# Allegro board arena_12-12_v5.brd (continued)
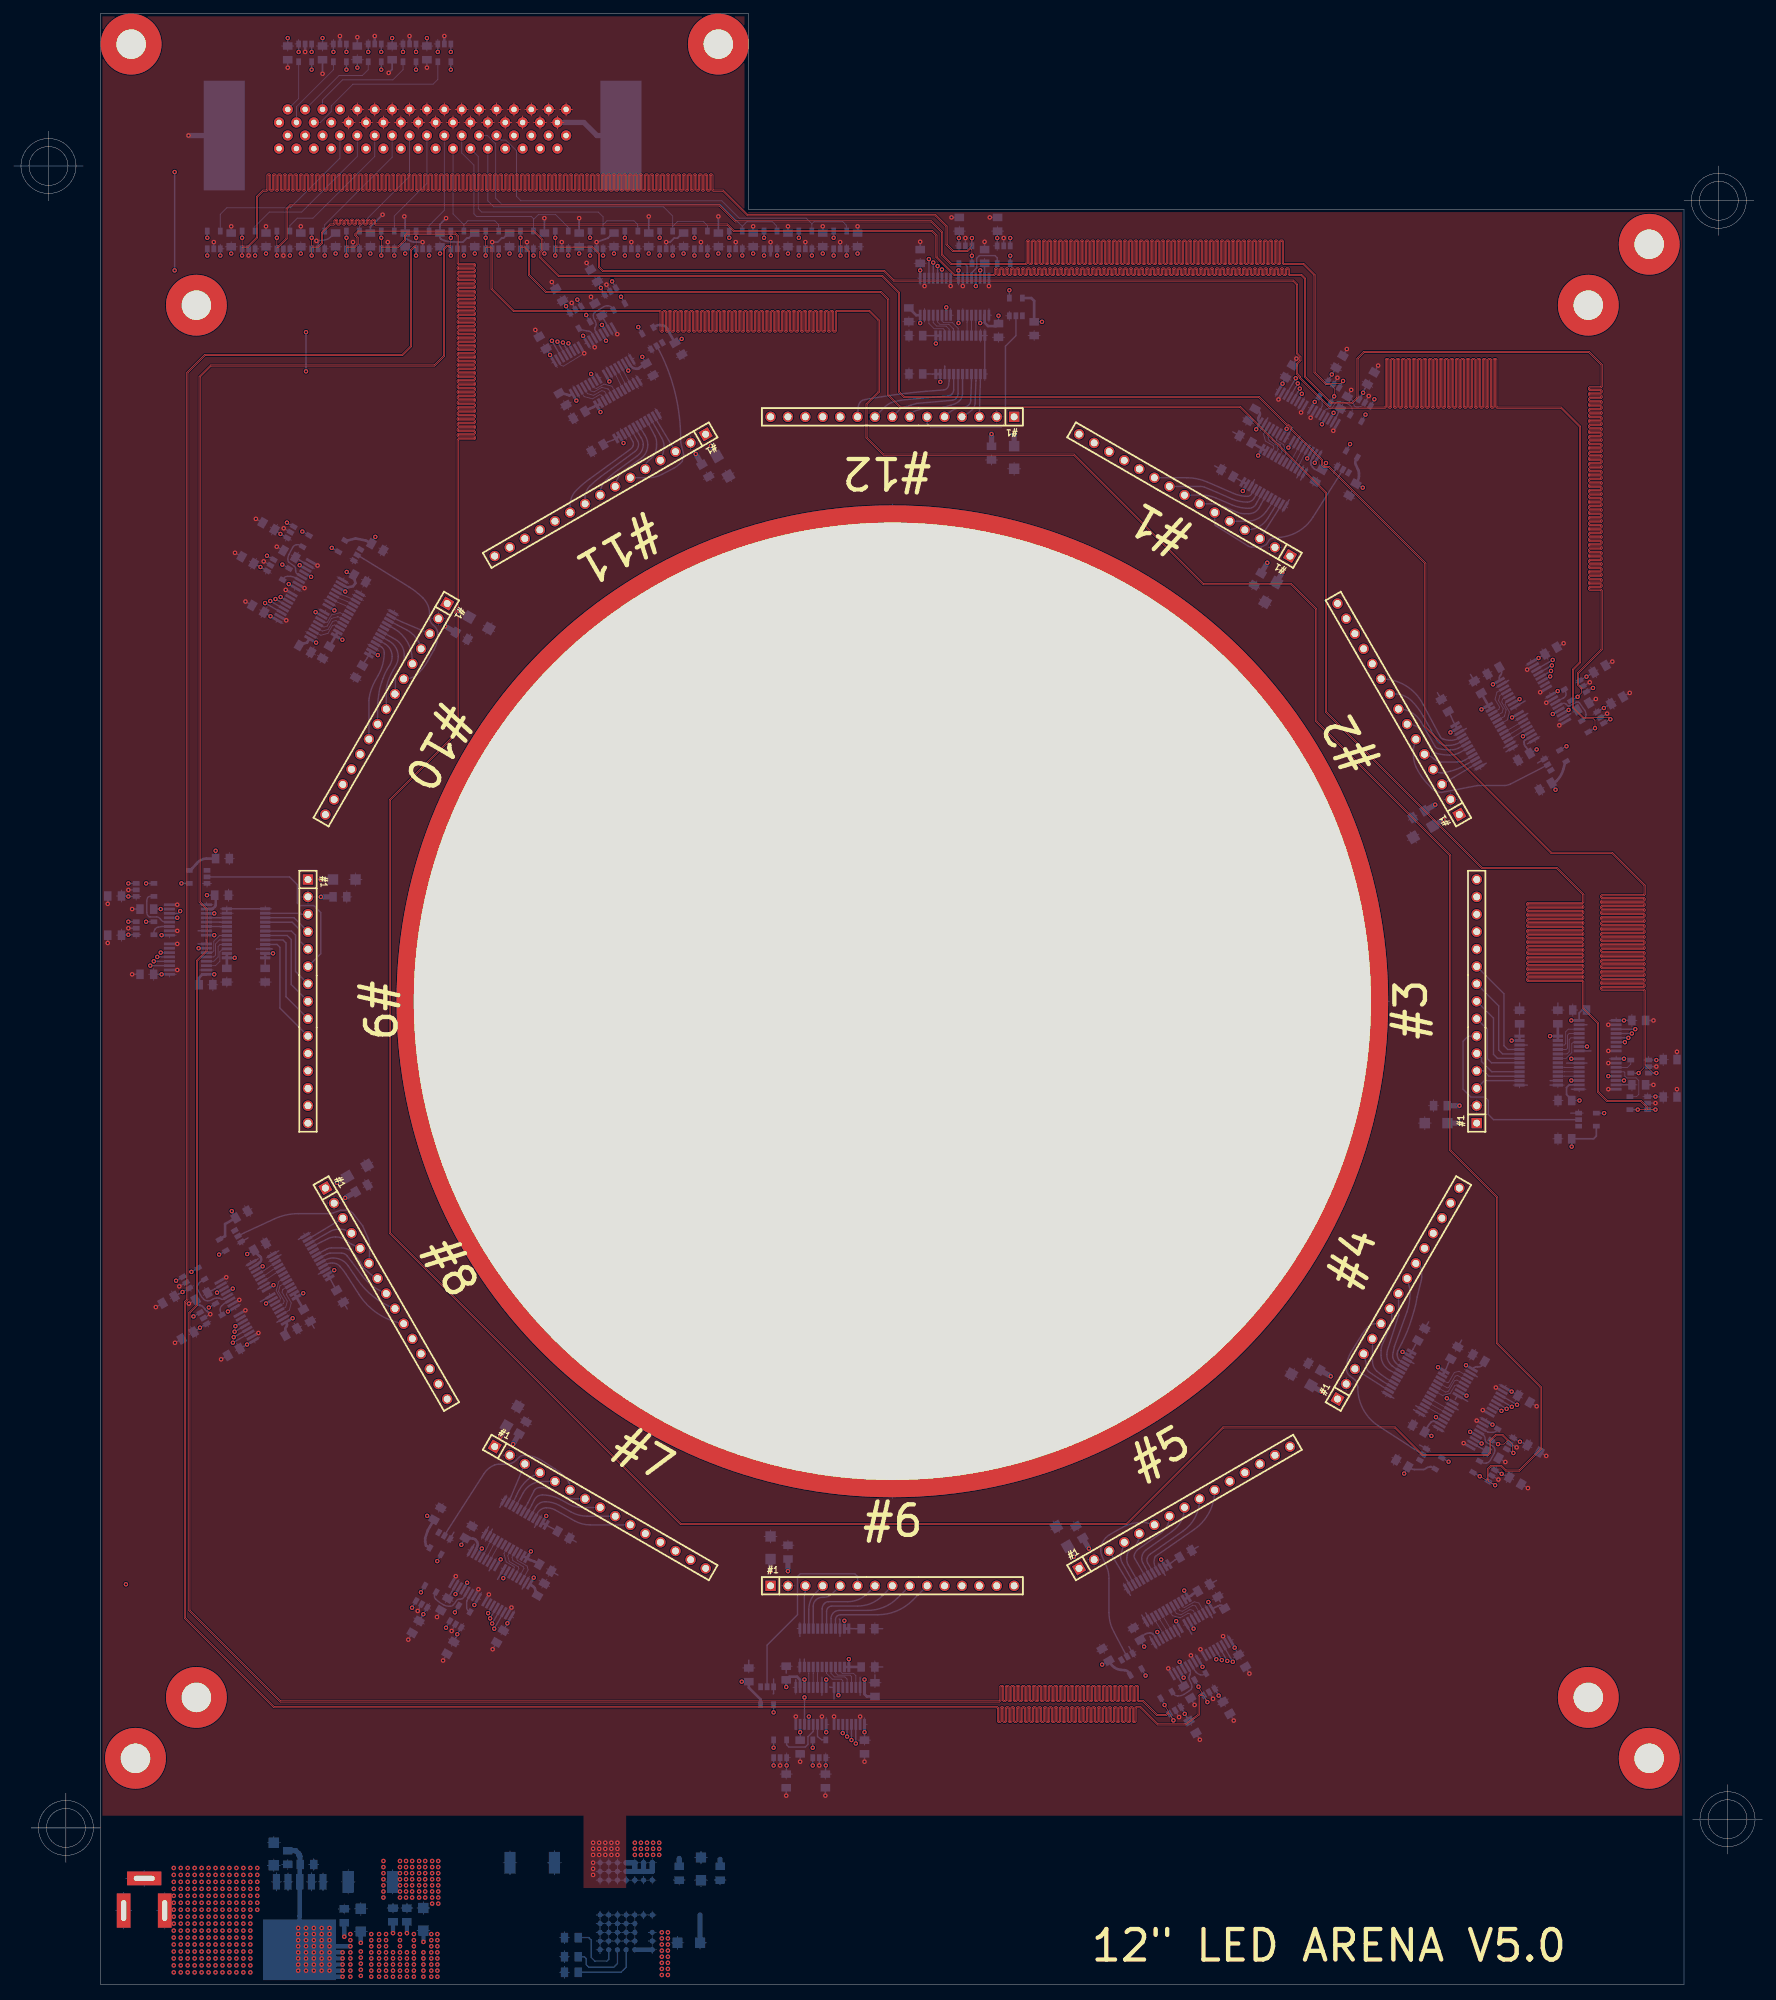
[diagram p0: board, top side]
## Routing (per net, layer and track width the routed paths; a pad name or vN(x,y) marks a point on that pad's centre or on a via; arc(x,y) is an arc through that point) (continued)
  BOTTOM w0.203: U63.3 v1(89.22,252.36) ; 196.77,228.15 v1(197.34,229.14)
S7_P: length 482.8
  PWR w0.089: v1(89.22,254.95) 89.22,254.19 89.66,253.74 91.18,253.74 91.95,254.51 91.95,255.52 92.33,255.9 96.65,255.9 97.66,254.89 97.66,253.75 97.03,253.11 97.03,250.44 97.41,250.06 100.33,250.06 100.6,250.33 100.6,250.97 101.78,252.15 101.78,253.5 104.25,255.97 110.18,255.97 110.92,255.22 110.92,254.85 111.17,254.6 111.17,254.04 110.92,253.79 110.92,251.65 110.75,251.48 107.68,251.48 107.62,251.41 107.62,251.33 107.68,251.26 110.77,251.26 110.94,251.09 110.94,250.86 110.77,250.69 107.68,250.69 107.62,250.63 107.62,250.54 107.68,250.47 110.77,250.47 110.94,250.31 110.94,250.07 110.77,249.9 107.68,249.9 107.62,249.84 107.62,249.75 107.68,249.69 110.77,249.69 110.94,249.52 110.94,249.28 110.77,249.12 107.68,249.12 107.62,249.05 107.62,248.96 107.68,248.9 110.77,248.9 110.94,248.73 110.94,248.5 110.77,248.33 107.68,248.33 107.62,248.26 107.62,248.18 107.68,248.11 110.77,248.11 110.94,247.94 110.94,247.71 110.77,247.54 107.68,247.54 107.62,247.48 107.62,247.39 107.68,247.32 110.77,247.32 110.94,247.16 110.94,246.92 110.77,246.75 107.68,246.75 107.62,246.69 107.62,246.6 107.68,246.54 110.77,246.54 110.94,246.37 110.94,246.13 110.77,245.97 107.68,245.97 107.62,245.9 107.62,245.81 107.68,245.75 110.77,245.75 110.94,245.58 110.94,245.35 110.77,245.18 107.68,245.18 107.62,245.12 107.62,245.03 107.68,244.96 110.77,244.96 110.94,244.8 110.94,244.56 110.77,244.39 107.68,244.39 107.62,244.33 107.62,244.24 107.68,244.18 110.77,244.18 110.94,244.01 110.94,243.77 110.77,243.6 107.68,243.6 107.62,243.54 107.62,243.45 107.68,243.39 110.77,243.39 110.94,243.22 110.94,242.98 110.77,242.82 107.68,242.82 107.62,242.75 107.62,242.66 107.68,242.6 110.77,242.6 110.94,242.43 110.94,242.2 110.77,242.03 107.68,242.03 107.62,241.97 107.62,241.88 107.68,241.81 110.77,241.81 110.94,241.65 110.94,241.36 112.1,240.2 112.8,240.2 112.97,240.04 112.97,239.13 113.03,239.06 113.12,239.06 113.18,239.13 113.18,240.04 113.35,240.2 113.59,240.2 113.75,240.04 113.75,239.13 113.82,239.06 113.91,239.06 113.97,239.13 113.97,240.04 114.14,240.2 114.37,240.2 114.54,240.04 114.54,239.13 114.6,239.06 114.69,239.06 114.76,239.13 114.76,240.04 114.92,240.2 115.16,240.2 115.33,240.04 115.33,239.13 115.39,239.06 115.48,239.06 115.54,239.13 115.54,240.04 115.71,240.2 115.95,240.2 116.12,240.04 116.12,239.13 116.18,239.06 116.27,239.06 116.33,239.13 116.33,240.04 116.5,240.2 116.74,240.2 116.9,240.04 116.9,239.13 116.97,239.06 117.06,239.06 117.12,239.13 117.12,240.04 117.29,240.2 117.52,240.2 117.69,240.04 117.69,239.13 117.75,239.06 117.84,239.06 117.91,239.13 117.91,240.04 118.07,240.2 118.31,240.2 118.48,240.04 118.48,239.13 118.54,239.06 118.63,239.06 118.69,239.13 118.69,240.04 118.86,240.2 119.1,240.2 119.27,240.04 119.27,239.13 119.33,239.06 119.42,239.06 119.48,239.13 119.48,240.04 119.65,240.2 119.89,240.2 120.05,240.04 120.05,239.13 120.12,239.06 120.21,239.06 120.27,239.13 120.27,240.04 120.44,240.2 120.67,240.2 120.84,240.04 120.84,239.13 120.9,239.06 120.99,239.06 121.06,239.13 121.06,240.04 121.22,240.2 121.46,240.2 121.63,240.04 121.63,239.13 121.69,239.06 121.78,239.06 121.84,239.13 121.84,240.04 122.01,240.2 122.25,240.2 122.42,240.04 122.42,239.13 122.48,239.06 122.57,239.06 122.63,239.13 122.63,240.04 122.8,240.2 123.04,240.2 123.2,240.04 123.2,239.13 123.27,239.06 123.36,239.06 123.42,239.13 123.42,240.04 123.59,240.2 123.82,240.2 123.99,240.04 123.99,239.13 124.05,239.06 124.14,239.06 124.21,239.13 124.21,240.04 124.37,240.2 124.61,240.2 124.78,240.04 124.78,239.13 124.84,239.06 124.93,239.06 124.99,239.13 124.99,240.04 125.16,240.2 125.4,240.2 125.56,240.04 125.56,239.13 125.63,239.06 125.72,239.06 125.78,239.13 125.78,240.04 125.95,240.2 126.18,240.2 126.35,240.04 126.35,239.13 126.42,239.06 126.5,239.06 126.57,239.13 126.57,240.04 126.74,240.2 126.97,240.2 127.14,240.04 127.14,239.13 127.2,239.06 127.29,239.06 127.36,239.13 127.36,240.04 127.52,240.2 127.76,240.2 127.93,240.04 127.93,239.13 127.99,239.06 128.08,239.06 128.14,239.13 128.14,240.04 128.31,240.2 128.55,240.2 128.71,240.04 128.71,239.13 128.78,239.06 128.87,239.06 128.93,239.13 128.93,240.04 129.1,240.2 129.33,240.2 129.5,240.04 129.5,239.13 129.57,239.06 129.65,239.06 129.72,239.13 129.72,240.04 129.89,240.2 130.12,240.2 130.29,240.04 130.29,239.13 130.35,239.06 130.44,239.06 130.51,239.13 130.51,240.04 130.67,240.2 130.91,240.2 131.08,240.04 131.08,239.13 131.14,239.06 131.23,239.06 131.29,239.13 131.29,240.04 131.46,240.2 131.7,240.2 131.86,240.04 131.86,239.13 131.93,239.06 132.02,239.06 132.08,239.13 132.08,240.04 132.25,240.2 132.48,240.2 132.65,240.04 132.65,239.13 132.72,239.06 132.8,239.06 132.87,239.13 132.87,240.04 133.04,240.2 133.27,240.2 133.44,240.04 133.44,239.13 133.5,239.06 133.59,239.06 133.65,239.13 133.65,240.04 133.82,240.2 134.9,240.2 134.95,240.16 135.79,240.16 135.96,239.99 135.96,238.75 136.02,238.68 136.11,238.68 136.17,238.75 136.17,239.99 136.34,240.16 136.58,240.16 136.75,239.99 136.75,238.75 136.81,238.68 136.9,238.68 136.96,238.75 136.96,239.99 137.13,240.16 137.37,240.16 137.53,239.99 137.53,238.75 137.6,238.68 137.69,238.68 137.75,238.75 137.75,239.99 137.92,240.16 138.15,240.16 138.32,239.99 138.32,238.75 138.38,238.68 138.47,238.68 138.54,238.75 138.54,239.99 138.7,240.16 138.94,240.16 139.11,239.99 139.11,238.75 139.17,238.68 139.26,238.68 139.32,238.75 139.32,239.99 139.49,240.16 139.73,240.16 139.9,239.99 139.9,238.75 139.96,238.68 140.05,238.68 140.11,238.75 140.11,239.99 140.28,240.16 140.52,240.16 140.68,239.99 140.68,238.75 140.75,238.68 140.84,238.68 140.9,238.75 140.9,239.99 141.07,240.16 141.3,240.16 141.47,239.99 141.47,238.75 141.53,238.68 141.62,238.68 141.69,238.75 141.69,239.99 141.85,240.16 142.09,240.16 142.26,239.99 142.26,238.75 142.32,238.68 142.41,238.68 142.47,238.75 142.47,239.99 142.64,240.16 142.88,240.16 143.05,239.99 143.05,238.75 143.11,238.68 143.2,238.68 143.26,238.75 143.26,239.99 143.43,240.16 143.66,240.16 143.83,239.99 143.83,238.75 143.9,238.68 143.98,238.68 144.05,238.75 144.05,239.99 144.22,240.16 144.45,240.16 144.62,239.99 144.62,238.75 144.68,238.68 144.77,238.68 144.84,238.75 144.84,239.99 145,240.16 145.24,240.16 145.41,239.99 145.41,238.75 145.47,238.68 145.56,238.68 145.62,238.75 145.62,239.99 145.79,240.16 146.03,240.16 146.19,239.99 146.19,238.75 146.26,238.68 146.35,238.68 146.41,238.75 146.41,239.99 146.58,240.16 146.81,240.16 146.98,239.99 146.98,238.75 147.05,238.68 147.13,238.68 147.2,238.75 147.2,239.99 147.37,240.16 147.6,240.16 147.77,239.99 147.77,238.75 147.83,238.68 147.92,238.68 147.99,238.75 147.99,239.99 148.15,240.16 148.39,240.16 148.56,239.99 148.56,238.75 148.62,238.68 148.71,238.68 148.77,238.75 148.77,239.99 148.94,240.16 149.18,240.16 149.34,239.99 149.34,238.75 149.41,238.68 149.5,238.68 149.56,238.75 149.56,239.99 149.73,240.16 149.96,240.16 150.13,239.99 150.13,238.75 150.2,238.68 150.28,238.68 150.35,238.75 150.35,239.99 150.52,240.16 150.75,240.16 150.92,239.99 150.92,238.75 150.98,238.68 151.07,238.68 151.14,238.75 151.14,239.99 151.3,240.16 151.54,240.16 151.71,239.99 151.71,238.75 151.77,238.68 151.86,238.68 151.92,238.75 151.92,239.99 152.09,240.16 152.33,240.16 152.49,239.99 152.49,238.75 152.56,238.68 152.65,238.68 152.71,238.75 152.71,239.99 152.88,240.16 153.11,240.16 153.28,239.99 153.28,238.75 153.34,238.68 153.43,238.68 153.5,238.75 153.5,239.99 153.66,240.16 153.9,240.16 154.07,239.99 154.07,238.75 154.13,238.68 154.22,238.68 154.28,238.75 154.28,239.99 154.45,240.16 154.69,240.16 154.86,239.99 154.86,238.75 154.92,238.68 155.01,238.68 155.07,238.75 155.07,239.99 155.24,240.16 155.48,240.16 155.64,239.99 155.64,238.75 155.71,238.68 155.8,238.68 155.86,238.75 155.86,239.99 156.03,240.16 156.26,240.16 156.43,239.99 156.43,238.75 156.49,238.68 156.58,238.68 156.65,238.75 156.65,239.99 156.81,240.16 157.05,240.16 157.22,239.99 157.22,238.75 157.28,238.68 157.37,238.68 157.43,238.75 157.43,239.99 157.6,240.16 157.84,240.16 158.01,239.99 158.01,238.75 158.07,238.68 158.16,238.68 158.22,238.75 158.22,239.99 158.39,240.16 158.63,240.16 158.79,239.99 158.79,238.75 158.86,238.68 158.95,238.68 159.01,238.75 159.01,239.99 159.18,240.16 159.41,240.16 159.58,239.99 159.58,238.75 159.64,238.68 159.73,238.68 159.8,238.75 159.8,239.99 159.96,240.16 160.2,240.16 160.37,239.99 160.37,238.75 160.43,238.68 160.52,238.68 160.58,238.75 160.58,239.99 160.75,240.16 160.99,240.16 161.16,239.99 161.16,238.75 161.22,238.68 161.31,238.68 161.37,238.75 161.37,239.99 161.54,240.16 161.78,240.16 161.94,239.99 161.94,238.75 162.01,238.68 162.1,238.68 162.16,238.75 162.16,239.99 162.33,240.16 162.56,240.16 162.73,239.99 162.73,238.75 162.79,238.68 162.88,238.68 162.95,238.75 162.95,239.99 163.11,240.16 163.35,240.16 163.52,239.99 163.52,238.75 163.58,238.68 163.67,238.68 163.73,238.75 163.73,239.99 163.9,240.16 164.14,240.16 164.3,239.99 164.3,238.75 164.37,238.68 164.46,238.68 164.52,238.75 164.52,239.99 164.69,240.16 164.92,240.16 165.09,239.99 165.09,238.75 165.16,238.68 165.24,238.68 165.31,238.75 165.31,239.99 165.48,240.16 165.71,240.16 165.88,239.99 165.88,238.75 165.94,238.68 166.03,238.68 166.1,238.75 166.1,239.99 166.26,240.16 166.5,240.16 166.67,239.99 166.67,238.75 166.73,238.68 166.82,238.68 166.88,238.75 166.88,239.99 167.05,240.16 167.29,240.16 167.45,239.99 167.45,238.75 167.52,238.68 167.61,238.68 167.67,238.75 167.67,239.99 167.84,240.16 168.07,240.16 168.24,239.99 168.24,238.75 168.31,238.68 168.39,238.68 168.46,238.75 168.46,239.99 168.63,240.16 168.86,240.16 169.03,239.99 169.03,238.75 169.09,238.68 169.18,238.68 169.25,238.75 169.25,239.99 169.41,240.16 169.65,240.16 169.82,239.99 169.82,238.75 169.88,238.68 169.97,238.68 170.03,238.75 170.03,239.99 170.2,240.16 170.44,240.16 170.6,239.99 170.6,238.75 170.67,238.68 170.76,238.68 170.82,238.75 170.82,239.99 170.99,240.16 171.22,240.16 171.39,239.99 171.39,238.75 171.46,238.68 171.54,238.68 171.61,238.75 171.61,239.99 171.78,240.16 172.01,240.16 172.18,239.99 172.18,238.75 172.24,238.68 172.33,238.68 172.39,238.75 172.39,239.99 172.56,240.16 172.8,240.16 172.97,239.99 172.97,238.75 173.03,238.68 173.12,238.68 173.18,238.75 173.18,239.99 173.35,240.16 173.59,240.16 173.75,239.99 173.75,238.75 173.82,238.68 173.91,238.68 173.97,238.75 173.97,239.99 174.14,240.16 174.37,240.16 174.54,239.99 174.54,238.75 174.6,238.68 174.69,238.68 174.76,238.75 174.76,239.99 174.92,240.16 175.16,240.16 175.33,239.99 175.33,238.75 175.39,238.68 175.48,238.68 175.54,238.75 175.54,239.99 175.71,240.16 175.95,240.16 176.12,239.99 176.12,238.75 176.18,238.68 176.27,238.68 176.33,238.75 176.33,239.99 176.5,240.16 176.74,240.16 176.9,239.99 176.9,238.75 176.97,238.68 177.06,238.68 177.12,238.75 177.12,239.99 177.29,240.16 177.52,240.16 177.69,239.99 177.69,238.75 177.75,238.68 177.84,238.68 177.91,238.75 177.91,239.99 178.07,240.16 178.31,240.16 178.48,239.99 178.48,238.75 178.54,238.68 178.63,238.68 178.69,238.75 178.69,239.99 178.86,240.16 179.1,240.16 179.27,239.99 179.27,238.75 179.33,238.68 179.42,238.68 179.48,238.75 179.48,239.99 179.65,240.16 179.89,240.16 180.05,239.99 180.05,238.75 180.12,238.68 180.21,238.68 180.27,238.75 180.27,239.99 180.44,240.16 180.67,240.16 180.84,239.99 180.84,238.75 180.9,238.68 180.99,238.68 181.06,238.75 181.06,239.99 181.22,240.16 181.46,240.16 181.63,239.99 181.63,238.75 181.69,238.68 181.78,238.68 181.84,238.75 181.84,239.99 182.01,240.16 182.25,240.16 182.42,239.99 182.42,238.75 182.48,238.68 182.57,238.68 182.63,238.75 182.63,239.99 182.8,240.16 183.03,240.16 183.2,239.99 183.2,238.75 183.27,238.68 183.35,238.68 183.42,238.75 183.42,239.99 183.59,240.16 183.82,240.16 183.99,239.99 183.99,238.75 184.05,238.68 184.14,238.68 184.21,238.75 184.21,239.99 184.37,240.16 184.61,240.16 184.78,239.99 184.78,238.75 184.84,238.68 184.93,238.68 184.99,238.75 184.99,239.99 185.16,240.16 185.4,240.16 185.56,239.99 185.56,238.75 185.63,238.68 185.72,238.68 185.78,238.75 185.78,239.99 185.95,240.16 186.18,240.16 186.35,239.99 186.35,238.75 186.42,238.68 186.5,238.68 186.57,238.75 186.57,239.99 186.74,240.16 186.97,240.16 187.14,239.99 187.14,238.75 187.2,238.68 187.29,238.68 187.36,238.75 187.36,239.99 187.52,240.16 187.76,240.16 187.93,239.99 187.93,238.75 187.99,238.68 188.08,238.68 188.14,238.75 188.14,239.99 188.31,240.16 188.55,240.16 188.71,239.99 188.71,238.75 188.78,238.68 188.87,238.68 188.93,238.75 188.93,239.99 189.1,240.16 189.33,240.16 189.5,239.99 189.5,238.75 189.57,238.68 189.65,238.68 189.72,238.75 189.72,239.99 189.89,240.16 190.12,240.16 190.29,239.99 190.29,238.75 190.35,238.68 190.44,238.68 190.51,238.75 190.51,239.99 190.67,240.16 190.91,240.16 191.08,239.99 191.08,238.75 191.14,238.68 191.23,238.68 191.29,238.75 191.29,239.99 191.46,240.16 191.7,240.16 191.86,239.99 191.86,238.75 191.93,238.68 192.02,238.68 192.08,238.75 192.08,239.99 192.25,240.16 192.48,240.16 192.65,239.99 192.65,238.75 192.71,238.68 192.8,238.68 192.87,238.75 192.87,239.99 193.03,240.16 195.45,240.16 196.47,239.14 196.47,234.95 194.11,232.59 194.11,231.34 194.56,230.89 197.4,230.89 197.65,230.64 197.92,230.64 198.26,230.73 v1(198.64,231.38)
  BOTTOM w0.203: U64.3 v1(198.64,231.38) ; U63.4 v1(89.22,254.95)
S8_N: length 512.6
  TOP w0.089: v1(230.85,183.38) 230.85,184.52 230.63,184.73 229.16,184.73 227.53,186.36 227.53,191.97 228.55,192.99 228.55,227.38 225.86,230.07 216.52,230.07 216.35,230.24 216.35,237.12 216.29,237.19 216.2,237.19 216.14,237.12 216.14,230.24 215.97,230.07 215.73,230.07 215.57,230.24 215.57,237.12 215.5,237.19 215.41,237.19 215.35,237.12 215.35,230.24 215.18,230.07 214.95,230.07 214.78,230.24 214.78,237.12 214.72,237.19 214.63,237.19 214.56,237.12 214.56,230.24 214.4,230.07 214.16,230.07 213.99,230.24 213.99,237.12 213.93,237.19 213.84,237.19 213.78,237.12 213.78,230.24 213.61,230.07 213.37,230.07 213.21,230.24 213.21,237.12 213.14,237.19 213.05,237.19 212.99,237.12 212.99,230.24 212.82,230.07 212.59,230.07 212.42,230.24 212.42,237.12 212.35,237.19 212.27,237.19 212.2,237.12 212.2,230.24 212.03,230.07 211.8,230.07 211.63,230.24 211.63,237.12 211.57,237.19 211.48,237.19 211.41,237.12 211.41,230.24 211.25,230.07 211.01,230.07 210.84,230.24 210.84,237.12 210.78,237.19 210.69,237.19 210.63,237.12 210.63,230.24 210.46,230.07 210.22,230.07 210.06,230.24 210.06,237.12 209.99,237.19 209.9,237.19 209.84,237.12 209.84,230.24 209.67,230.07 209.44,230.07 209.27,230.24 209.27,237.12 209.2,237.19 209.12,237.19 209.05,237.12 209.05,230.24 208.88,230.07 208.65,230.07 208.48,230.24 208.48,237.12 208.42,237.19 208.33,237.19 208.26,237.12 208.26,230.24 208.1,230.07 207.86,230.07 207.69,230.24 207.69,237.12 207.63,237.19 207.54,237.19 207.48,237.12 207.48,230.24 207.31,230.07 207.07,230.07 206.91,230.24 206.91,237.12 206.84,237.19 206.75,237.19 206.69,237.12 206.69,230.24 206.52,230.07 206.29,230.07 206.12,230.24 206.12,237.12 206.05,237.19 205.97,237.19 205.9,237.12 205.9,230.24 205.73,230.07 205.5,230.07 205.33,230.24 205.33,237.12 205.27,237.19 205.18,237.19 205.12,237.12 205.12,230.24 204.95,230.07 204.71,230.07 204.54,230.24 204.54,237.12 204.48,237.19 204.39,237.19 204.33,237.12 204.33,230.24 204.16,230.07 203.92,230.07 203.76,230.24 203.76,237.12 203.69,237.19 203.6,237.19 203.54,237.12 203.54,230.24 203.37,230.07 203.14,230.07 202.97,230.24 202.97,237.12 202.91,237.19 202.82,237.19 202.75,237.12 202.75,230.24 202.59,230.07 202.35,230.07 202.18,230.24 202.18,237.12 202.12,237.19 202.03,237.19 201.97,237.12 201.97,230.24 201.8,230.07 201.56,230.07 201.39,230.24 201.39,237.12 201.33,237.19 201.24,237.19 201.18,237.12 201.18,230.24 201.01,230.07 200.77,230.07 200.61,230.24 200.61,237.12 200.54,237.19 200.45,237.19 200.39,237.12 200.39,230.24 200.22,230.07 192.08,230.07 187.66,234.49 187.66,234.66 187.27,235.04 187.27,236.62 187.76,237.11 187.76,237.52 187.27,238.01 187.27,248.08 186.74,248.62 128.45,248.62 127.05,250.01 85.98,250.01 85.36,250.63 85.36,252.59 84.38,253.57 79.15,253.57 79.06,253.48 v1(79.06,252.36)
  BOTTOM w0.203: U65.3 v1(79.06,252.36) ; U66.4 v1(230.85,183.38)
